# KiCad board nvme Carrier for LattePanda Mu.kicad_pcb (continued)
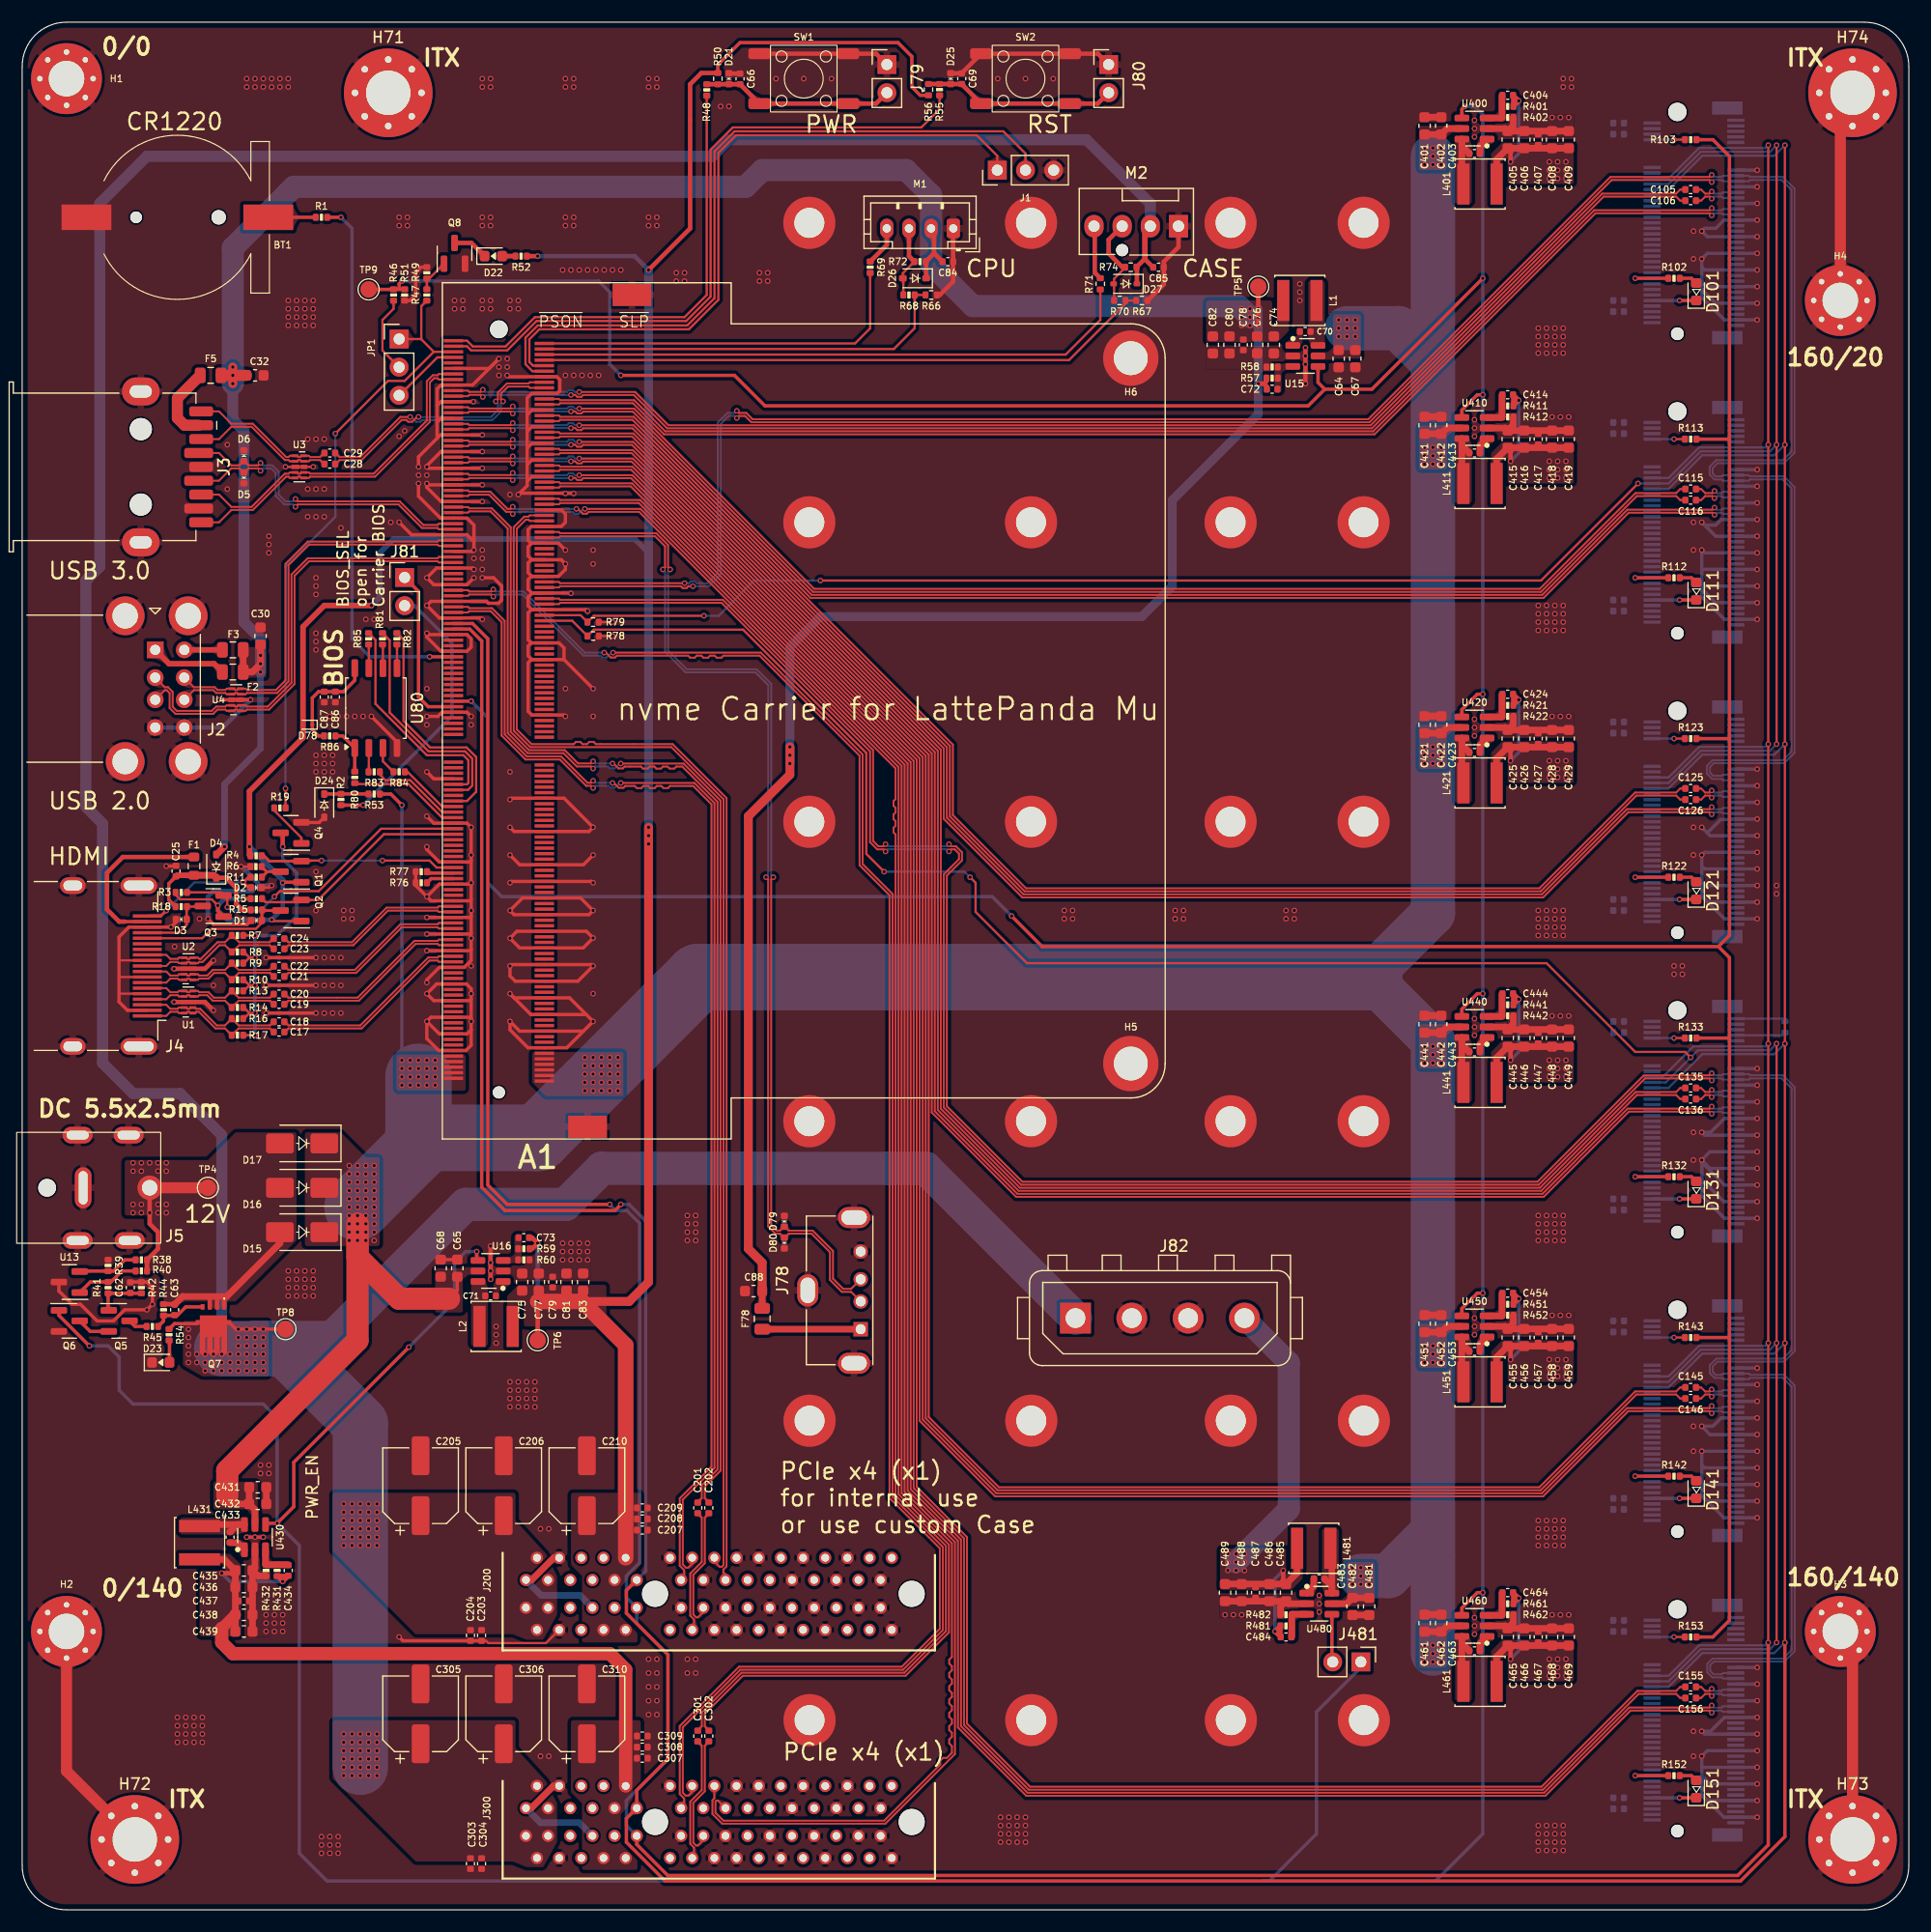
[diagram p0: board, top side]
## Nets (continued)
GND: A1.11 A1.14 A1.17 A1.20 A1.23 A1.26 A1.29 A1.32 A1.35 A1.38 A1.41 A1.44 A1.47 A1.50 A1.53 A1.56 A1.59 A1.62 A1.65 A1.68 A1.71 A1.74 A1.77 A1.80 A1.83 A1.86 A1.89 A1.92 A1.95 A1.98 A1.101 A1.107 A1.110 A1.113 A1.116 A1.135 A1.136 A1.151 A1.158 A1.167 A1.170 A1.181 A1.182 A1.188 A1.189 A1.194 A1.195 A1.200 A1.201 A1.206 A1.207 A1.212 A1.213 A1.218 A1.219 A1.224 A1.225 A1.230 A1.231 A1.236 A1.237 A1.242 A1.243 A1.248 A1.249 A1.MP BT1.2 C25.2 C30.1 C32.1 C62.2 C64.1 C65.1 C66.2 C67.1 C68.1 C69.2 C74.1 C75.1 C76.1 C77.1 C78.2 C79.2 C80.1 C81.1 C82.1 C83.1 C84.2 C85.2 C86.2 C87.2 C88.1 C101.1 C102.1 C103.1 C104.1 C111.1 C112.1 C113.1 C114.1 C121.1 C122.1 C123.1 C124.1 C131.1 C132.1 C133.1 C134.1 C141.1 C142.1 C143.1 C144.1 C151.1 C152.1 C153.1 C154.1 C203.2 C204.2 C205.2 C206.2 C207.1 C208.1 C209.2 C210.2 C303.2 C304.2 C305.2 C306.2 C307.1 C308.1 C309.2 C310.2 C401.1 C402.1 C405.1 C406.1 C407.2 C408.1 C409.1 C411.1 C412.1 C415.1 C416.1 C417.2 C418.1 C419.1 C421.1 C422.1 C425.1 C426.1 C427.2 C428.1 C429.1 C431.1 C432.1 C435.1 C436.1 C437.2 C438.1 C439.1 C441.1 C442.1 C445.1 C446.1 C447.2 C448.1 C449.1 C451.1 C452.1 C455.1 C456.1 C457.2 C458.1 C459.1 C461.1 C462.1 C465.1 C466.1 C467.2 C468.1 C469.1 C481.1 C482.1 C485.1 C486.1 C487.2 C488.1 C489.1 D1.1 D2.1 D3.1 D5.1 D6.1 D21.1 D23.1 D24.2 D25.1 D79.1 D80.1 H1.1 H2.1 H3.1 H4.1 H5.1 H6.1 H71.1 H72.1 H73.1 H74.1 H1032.1 H1042.1 H1060.1 H1080.1 H1130.1 H1142.1 H1160.1 H1180.1 H1230.1 H1242.1 H1260.1 H1280.1 H1330.1 H1342.1 H1360.1 H1380.1 H1430.1 H1442.1 H1460.1 H1480.1 H1530.1 H1542.1 H1560.1 H1580.1 J1.3 J2.4 J2.8 J2.9 J3.4 J3.7 J3.10 J4.2 J4.5 J4.8 J4.11 J4.17 J4.SH J5.2 J5.3 J78.4 J78.5 J79.1 J80.1 J82.2 J82.3 J100.1 J100.3 J100.9 J100.15 J100.21 J100.27 J100.33 J100.39 J100.45 J100.51 J100.57 J100.71 J100.73 J100.75 J100.MP1 J100.MP2 J110.1 J110.3 J110.9 J110.15 J110.21 J110.27 J110.33 J110.39 J110.45 J110.51 J110.57 J110.71 J110.73 J110.75 J110.MP1 J110.MP2 J120.1 J120.3 J120.9 J120.15 J120.21 J120.27 J120.33 J120.39 J120.45 J120.51 J120.57 J120.71 J120.73 J120.75 J120.MP1 J120.MP2 J130.1 J130.3 J130.9 J130.15 J130.21 J130.27 J130.33 J130.39 J130.45 J130.51 J130.57 J130.71 J130.73 J130.75 J130.MP1 J130.MP2 J140.1 J140.3 J140.9 J140.15 J140.21 J140.27 J140.33 J140.39 J140.45 J140.51 J140.57 J140.71 J140.73 J140.75 J140.MP1 J140.MP2 J150.1 J150.3 J150.9 J150.15 J150.21 J150.27 J150.33 J150.39 J150.45 J150.51 J150.57 J150.71 J150.73 J150.75 J150.MP1 J150.MP2 J200.A1 J200.A4 J200.A12 J200.A15 J200.A18 J200.A20 J200.A23 J200.A24 J200.A27 J200.A28 J200.A31 J200.B4 J200.B7 J200.B13 J200.B16 J200.B17 J200.B18 J200.B21 J200.B22 J200.B25 J200.B26 J200.B29 J200.B31 J200.B32 J300.A1 J300.A4 J300.A12 J300.A15 J300.A18 J300.A20 J300.A23 J300.A24 J300.A27 J300.A28 J300.A31 J300.B4 J300.B7 J300.B13 J300.B16 J300.B17 J300.B18 J300.B21 J300.B22 J300.B25 J300.B26 J300.B29 J300.B31 J300.B32 M1.1 M2.1 Q4.2 Q6.2 Q8.2 R6.2 R39.1 R42.1 R49.1 R51.1 R58.1 R60.1 R66.2 R67.2 R76.2 R77.2 R78.2 R79.2 R134.2 R402.1 R412.1 R422.1 R432.1 R442.1 R452.1 R462.1 R482.1 SW1.2 SW2.2 U1.3 U1.8 U2.3 U2.8 U3.3 U3.8 U4.3 U4.8 U13.3 U15.2 U16.2 U80.4 U400.2 U410.2 U420.2 U430.2 U440.2 U450.2 U460.2 U480.2
+BATT: A1.115 R1.1
/CLKREQ3: A1.100 J100.52 J110.52 J120.52 R79.1
/Fan_Temp/FAN_1_PWM: A1.2 R69.1
/Fan_Temp/FAN_1_TAC: A1.4 R66.1 R68.2
/Fan_Temp/FAN_2_PWM: A1.6 R71.1
/Fan_Temp/FAN_2_TAC: A1.8 R67.1 R70.1
/HDMI/DDC_SCL: D1.2 J4.15 Q2.3 R15.2
/HDMI/DDC_SDA: D3.2 J4.16 Q3.3 R18.2
/HDMI/DDI_B_DDC_SCL: A1.171 Q2.2 R5.2
/HDMI/DDI_B_DDC_SDA: A1.169 Q3.2 R3.2
/HDMI/DDI_B_HPD: A1.183 Q1.2 R4.2
/HDMI/DDI_B_TX0+: A1.217 C17.1
/HDMI/DDI_B_TX0-: A1.215 C18.1
/HDMI/DDI_B_TX1+: A1.211 C19.1
/HDMI/DDI_B_TX1-: A1.209 C20.1
/HDMI/DDI_B_TX2+: A1.205 C21.1
/HDMI/DDI_B_TX2-: A1.203 C22.1
/HDMI/DDI_B_TX3+: A1.199 C23.1
/HDMI/DDI_B_TX3-: A1.197 C24.1
/HDMI/HPD: D2.2 J4.19 R11.2
/HDMI/TMDS_CK+: C23.2 J4.10 R8.1 U2.4 U2.7
/HDMI/TMDS_CK-: C24.2 J4.12 R7.1 U2.5 U2.6
/HDMI/TMDS_D0+: C21.2 J4.7 R10.1 U2.1 U2.10
/HDMI/TMDS_D0-: C22.2 J4.9 R9.1 U2.2 U2.9
/HDMI/TMDS_D1+: C19.2 J4.4 R14.1 U1.4 U1.7
/HDMI/TMDS_D1-: C20.2 J4.6 R13.1 U1.5 U1.6
/HDMI/TMDS_D2+: C17.2 J4.1 R17.1 U1.1 U1.10
/HDMI/TMDS_D2-: C18.2 J4.3 R16.1 U1.2 U1.9
/LattePanda Module/CLKREQ4: A1.102 J130.52 J140.52 J150.52 R78.1
/LattePanda Module/HSIO_0_RX+: A1.16 C28.1
/LattePanda Module/HSIO_0_RX-: A1.18 C29.1
/LattePanda Module/HSIO_1_RX+: A1.22 J100.43
/LattePanda Module/HSIO_1_RX-: A1.24 J100.41
/LattePanda Module/HSIO_1_TX+: A1.19 C105.1
/LattePanda Module/HSIO_1_TX-: A1.21 C106.1
/LattePanda Module/HSIO_2_RX+: A1.28 J110.43
/LattePanda Module/HSIO_2_RX-: A1.30 J110.41
/LattePanda Module/HSIO_2_TX+: A1.25 C115.1
/LattePanda Module/HSIO_2_TX-: A1.27 C116.1
/LattePanda Module/HSIO_3_RX+: A1.34 J120.43
/LattePanda Module/HSIO_3_RX-: A1.36 J120.41
/LattePanda Module/HSIO_3_TX+: A1.31 C125.1
/LattePanda Module/HSIO_3_TX-: A1.33 C126.1
/LattePanda Module/HSIO_6_RX+: A1.64 J200.A16
/LattePanda Module/HSIO_6_RX-: A1.66 J200.A17
/LattePanda Module/HSIO_6_TX+: A1.61 C201.1
/LattePanda Module/HSIO_6_TX-: A1.63 C202.1
/LattePanda Module/HSIO_8_RX+: A1.40 J130.43
/LattePanda Module/HSIO_8_RX-: A1.42 J130.41
/LattePanda Module/HSIO_8_TX+: A1.37 C135.1
/LattePanda Module/HSIO_8_TX-: A1.39 C136.1
/LattePanda Module/HSIO_9_RX+: A1.46 J140.43
/LattePanda Module/HSIO_9_RX-: A1.48 J140.41
/LattePanda Module/HSIO_9_TX+: A1.43 C145.1
/LattePanda Module/HSIO_9_TX-: A1.45 C146.1
/LattePanda Module/HSIO_10_RX+: A1.52 J150.43
/LattePanda Module/HSIO_10_RX-: A1.54 J150.41
/LattePanda Module/HSIO_10_TX+: A1.49 C155.1
/LattePanda Module/HSIO_10_TX-: A1.51 C156.1
/LattePanda Module/HSIO_11_RX+: A1.58 J300.A16
/LattePanda Module/HSIO_11_RX-: A1.60 J300.A17
/LattePanda Module/HSIO_11_TX+: A1.55 C301.1
/LattePanda Module/HSIO_11_TX-: A1.57 C302.1
/LattePanda Module/REFCLK0+: A1.85
/LattePanda Module/REFCLK0-: A1.87
/LattePanda Module/REFCLK1+: A1.91 J300.A13
/LattePanda Module/REFCLK1-: A1.93 J300.A14
/LattePanda Module/REFCLK2+: A1.97 J200.A13
/LattePanda Module/REFCLK2-: A1.99 J200.A14
/LattePanda Module/REFCLK4+: A1.94 J130.55 J140.55 J150.55
/LattePanda Module/REFCLK4-: A1.96 J130.53 J140.53 J150.53
/LattePanda Module/SLS_S3: A1.7 JP1.3
/LattePanda Module/SUSCLK_WIFI: A1.131 R103.2 R113.2 R123.2 R133.2 R143.2 R153.2
/LattePanda Module/USB_2_P4+: A1.70 D79.2 J78.3
/LattePanda Module/USB_2_P4-: A1.72 D80.2 J78.2
/LattePanda Module/~{PWR_SW}: A1.1 R48.2
/LattePanda Module/~{RST_SW}: A1.3 R55.2
/M.2 M Key/CON_PCIE_TX_0+: C105.2 J100.49
/M.2 M Key/CON_PCIE_TX_0-: C106.2 J100.47
/M.2 M Key/CON_PCIE_TX_1+: C115.2 J110.49
/M.2 M Key/CON_PCIE_TX_1-: C116.2 J110.47
/M.2 M Key/CON_PCIE_TX_2+: C125.2 J120.49
/M.2 M Key/CON_PCIE_TX_2-: C126.2 J120.47
/M.2 M Key/CON_PCIE_TX_3+: C135.2 J130.49
/M.2 M Key/CON_PCIE_TX_3-: C136.2 J130.47
/M.2 M Key/CON_PCIE_TX_4+: C145.2 J140.49
/M.2 M Key/CON_PCIE_TX_4-: C146.2 J140.47
/M.2 M Key/CON_PCIE_TX_5+: C155.2 J150.49
/M.2 M Key/CON_PCIE_TX_5-: C156.2 J150.47
/PCIe/PCIE30_TX0_N: C202.2 J200.B15
/PCIe/PCIE30_TX0_P: C201.2 J200.B14
/PCIe/PCIE30_TX1_N: C302.2 J300.B15
/PCIe/PCIE30_TX1_P: C301.2 J300.B14
/PSU/PWR_EN: J481.1 Q6.1 R46.2 R51.2 TP9.1 U15.4 U16.4 U400.4 U410.4 U420.4 U430.4 U440.4 U450.4 U460.4
/REFCLK3+: A1.88 J100.55 J110.55 J120.55
/REFCLK3-: A1.90 J100.53 J110.53 J120.53
/USB/CON_USB1_D_N: A1.79 J2.2 U4.2 U4.9
/USB/CON_USB1_D_P: A1.81 J2.3 U4.1 U4.10
/USB/CON_USB2_D_N: A1.73 J2.6 U4.5 U4.6
/USB/CON_USB2_D_P: A1.75 J2.7 U4.4 U4.7
/USB/CON_USB3_D_N: A1.67 D6.2 J3.2
/USB/CON_USB3_D_P: A1.69 D5.2 J3.3
/USB/CON_USB3_SSRX_N: A1.15 J3.5 U3.5 U3.6
/USB/CON_USB3_SSRX_P: A1.13 J3.6 U3.4 U3.7
/USB/CON_USB3_SSTX_N: C28.2 J3.8 U3.2 U3.9
/USB/CON_USB3_SSTX_P: C29.2 J3.9 U3.1 U3.10
/~{PLT_RST}: A1.105 J100.50 J110.50 J120.50 J130.50 J140.50 J150.50 J200.A11 J300.A11
/~{PWR_LED}/~{PSON}: A1.5 JP1.1 R19.1 R47.1
/~{WAKE}: A1.103 J100.54 J110.54 J120.54 J130.54 J140.54 J150.54 J200.B11 J300.B11
VDC: A1.250 A1.251 A1.252 A1.253 A1.254 A1.255 A1.256 A1.257 A1.258 A1.259 A1.260 C64.2 C65.2 C67.2 C68.2 C401.2 C402.2 C411.2 C412.2 C421.2 C422.2 C431.2 C432.2 C441.2 C442.2 C451.2 C452.2 C461.2 C462.2 C481.2 C482.2 D15.1 D16.1 D17.1 R53.1 U15.5 U16.5 U400.5 U410.5 U420.5 U430.5 U440.5 U450.5 U460.5 U480.5
VPullup: D24.1 R2.2 R53.2
Net-(A1-SIO_UART_RX): A1.12 J1.2
Net-(A1-SIO_UART_TX): A1.10 J1.1
Net-(A1-SPI_CLK): A1.155 R81.1
Net-(A1-SPI_IO2): A1.161 R84.1
Net-(A1-SPI_IO3): A1.153 R85.1
Net-(A1-SPI_MISO/SPI_IO1): A1.163 R83.1
Net-(A1-SPI_MOSI/SPI_IO0): A1.159 R82.1
Net-(A1-TCP0_HPD): A1.187 R76.1
Net-(A1-TCP1_HPD): A1.185 R77.1
Net-(A1-~{BIOS_SEL}): A1.133 J81.1
Net-(A1-~{SPI_CS}): A1.165 R80.1
Net-(BT1-+): BT1.1 R1.2
Net-(D21-A2): C66.1 D21.2 J79.2 R48.1 R50.1 SW1.1
Net-(D22-A): D22.2 R52.1
Net-(D22-K): D22.1 Q8.3
Net-(D23-A): D23.2 R54.2
Net-(D25-A2): C69.1 D25.2 J80.2 R55.1 R56.1 SW2.1
Net-(D26-A): D26.2 M1.3 R68.1 R72.2
Net-(D27-A): D27.2 M2.3 R70.2 R74.2
Net-(D78-K): C86.1 C87.1 D78.1 R86.1 U80.8
Net-(D101-A): D101.2 R102.1
Net-(D101-K): D101.1 J100.10
Net-(D111-A): D111.2 R112.1
Net-(D111-K): D111.1 J110.10
Net-(D121-A): D121.2 R122.1
Net-(D121-K): D121.1 J120.10
Net-(D131-A): D131.2 R132.1
Net-(D131-K): D131.1 J130.10
Net-(D141-A): D141.2 R142.1
Net-(D141-K): D141.1 J140.10
Net-(D151-A): D151.2 R152.1
Net-(D151-K): D151.1 J150.10
Net-(J2-VBUS1): F2.2 J2.1
Net-(J2-VBUS2): F3.2 J2.5
Net-(J3-VBUS): F5.2 J3.1
Net-(J4-+5V): F1.2 J4.18
Net-(J78-VBUS): F78.2 J78.1
Net-(J81-Pin_2): J81.2 R2.1
Net-(J100-SUSCLK): J100.68 R103.1
Net-(J110-SUSCLK): J110.68 R113.1
Net-(J120-SUSCLK): J120.68 R123.1
Net-(J130-PEDET): J130.69 R134.1
Net-(J130-SUSCLK): J130.68 R133.1
Net-(J140-SUSCLK): J140.68 R143.1
Net-(J150-SUSCLK): J150.68 R153.1
Net-(J481-Pin_2): J481.2 U480.4
Net-(JP1-C): JP1.2 R46.1
Net-(M1-PWM): M1.4 R69.2
Net-(M2-PWM): M2.4 R71.2
Net-(Q1-D): Q1.3 R6.1 R11.1
Net-(Q4-D): Q4.3 R7.2 R8.2 R9.2 R10.2 R13.2 R14.2 R16.2 R17.2
Net-(Q4-G): Q4.1 R19.2
Net-(Q5-D): Q5.3 R45.1
Net-(Q5-G): C62.1 Q5.1 R41.1 R42.2
Net-(Q5-S): Q5.2 Q6.3
Net-(Q7-G): C63.1 Q7.4 R44.1 R45.2
Net-(Q8-G): Q8.1 R47.2 R49.2
Net-(U13-K): R40.1 R41.2 U13.1
Net-(U13-REF): R38.1 R39.2 U13.2
Net-(U15-BOOST): C70.2 U15.1
Net-(U15-FB): C72.2 R57.1 R58.2 U15.3
Net-(U15-SW): C70.1 L1.1 U15.6
Net-(U16-BOOST): C71.2 U16.1
Net-(U16-FB): C73.2 R59.1 R60.2 U16.3
Net-(U16-SW): C71.1 L2.1 U16.6
Net-(U80-CLK): R81.2 U80.6
Net-(U80-DI(IO0)): R82.2 U80.5
Net-(U80-DO(IO1)): R83.2 U80.2
Net-(U80-IO2): R84.2 U80.3
Net-(U80-IO3): R85.2 U80.7
Net-(U80-~{CS}): R80.2 R86.2 U80.1
Net-(U400-BOOST): C403.2 U400.1
Net-(U400-FB): C404.2 R401.1 R402.2 U400.3
Net-(U400-SW): C403.1 L401.1 U400.6
Net-(U410-BOOST): C413.2 U410.1
Net-(U410-FB): C414.2 R411.1 R412.2 U410.3
Net-(U410-SW): C413.1 L411.1 U410.6
Net-(U420-BOOST): C423.2 U420.1
Net-(U420-FB): C424.2 R421.1 R422.2 U420.3
Net-(U420-SW): C423.1 L421.1 U420.6
Net-(U430-BOOST): C433.2 U430.1
Net-(U430-FB): C434.2 R431.1 R432.2 U430.3
Net-(U430-SW): C433.1 L431.1 U430.6
Net-(U440-BOOST): C443.2 U440.1
Net-(U440-FB): C444.2 R441.1 R442.2 U440.3
Net-(U440-SW): C443.1 L441.1 U440.6
Net-(U450-BOOST): C453.2 U450.1
Net-(U450-FB): C454.2 R451.1 R452.2 U450.3
Net-(U450-SW): C453.1 L451.1 U450.6
Net-(U460-BOOST): C463.2 U460.1
Net-(U460-FB): C464.2 R461.1 R462.2 U460.3
Net-(U460-SW): C463.1 L461.1 U460.6
Net-(U480-BOOST): C483.2 U480.1
Net-(U480-FB): C484.2 R481.1 R482.2 U480.3
Net-(U480-SW): C483.1 L481.1 U480.6

Pads without a net: A1 9 76 78 82 84 104 106 108 109 111 112 114 117 118 119 120 121 122 123 124 125 126 127 128 129 130 132 134 137 138 139 140 141 142 143 144 145 146 147 148 149 150 152 154 156 157 160 162 164 166 168 172 173 174 175 176 177 178 179 180 184 186 190 191 192 193 196 198 202 204 208 210 214 216 220 221 222 223 226 227 228 229 232 233 234 235 238 239 240 241 244 245 246 247; J4 13 14; J100 5 6 7 8 11 13 17 19 20 22 23 24 25 26 28 29 30 31 32 34 35 36 37 38 40 42 44 46 48 56 58 67 69; J110 5 6 7 8 11 13 17 19 20 22 23 24 25 26 28 29 30 31 32 34 35 36 37 38 40 42 44 46 48 56 58 67 69; J120 5 6 7 8 11 13 17 19 20 22 23 24 25 26 28 29 30 31 32 34 35 36 37 38 40 42 44 46 48 56 58 67 69; J130 5 6 7 8 11 13 17 19 20 22 23 24 25 26 28 29 30 31 32 34 35 36 37 38 40 42 44 46 48 56 58 67; J140 5 6 7 8 11 13 17 19 20 22 23 24 25 26 28 29 30 31 32 34 35 36 37 38 40 42 44 46 48 56 58 67 69; J150 5 6 7 8 11 13 17 19 20 22 23 24 25 26 28 29 30 31 32 34 35 36 37 38 40 42 44 46 48 56 58 67 69; J200 A5 A6 A7 A8 A19 A21 A22 A25 A26 A29 A30 A32 B5 B6 B9 B12 B19 B20 B23 B24 B27 B28 B30; J300 A5 A6 A7 A8 A19 A21 A22 A25 A26 A29 A30 A32 B5 B6 B9 B12 B19 B20 B23 B24 B27 B28 B30

## Via types
v1: diameter 0.5, hole 0.3, Top to Bottom, 1206 vias

## Routing (per net, layer and track width the routed paths; a pad name or vN(x,y) marks a point on that pad's centre or on a via; arc(x,y) is an arc through that point)
5V_HDMI_VCC: length 12.2
  Top w0.3: C25.1 13.22,92.52 13.22,91.07 R18.1
  Top w0.4: R15.1 19.84,90.16 19.31,90.69 19.31,92.13 18.39,93.05 D4.1
  Top w0.508: R18.1 13.85,90.46 ; C25.1 13.98,93.28 F1.1
  Top w0.6: D4.1 17.27,93.28 F1.1
+3V3: length 287
  Top w0.2: v1(17.65,90.55) 17.09,91.11 14.24,91.11 13.84,91.51 R3.1 ; Q2.1 22.62,89.15 v1(22.5,89.27) ; v1(20.03,91.17) R5.1 ; 25.15,92.69 Q1.1
  Top w0.3: Q3.1 17.65,90.07 v1(17.65,90.55) ; v1(23.5,92.6) 23.55,92.65 Q1.1 ; R56.2 81,163.6 80.25,164.35 80.25,167.1 79,168.35 64.75,168.35 62.75,166.35 R50.2
  Top w0.4: R59.2 46,59.6 v1(46.5,60.1) 46,60.6 C73.1 ; v1(46.5,149.1) R52.2 ; v1(46.5,54.85) TP6.1 ; v1(56.5,147.85) 60.25,151.6 60.25,164.6 61.26,165.61 R50.2
  Top w0.5: R4.1 20.5,95.12 v1(20.5,95.85) 20.5,100.85 25.33,105.68 25.33,115.68 27.25,117.6 v1(31.5,117.6)
  Top w0.8: v1(56.5,97.6) 56.5,56.6 54.75,54.85 v1(46.5,54.85)
  Top w1.4: J200.A10 54.44,50.91 50.5,54.85 v1(46.5,54.85)
  Bottom w0.4: v1(46.5,149.1) 55.25,149.1 v1(56.5,147.85) ; v1(46.5,54.85) v1(46.5,60.1) ; v1(23.5,92.6) 23.5,90.27 v1(22.5,89.27) 18.51,89.27 17.65,90.13 v1(17.65,90.55) 18.27,91.17 v1(20.03,91.17) 20.05,91.17
  Bottom w0.5: v1(23.5,92.6) 23.5,92.85 v1(20.5,95.85) ; 56.5,122.35 55.25,123.6 33.5,123.6 32.25,122.35 32.25,118.35 v1(31.5,117.6)
  Bottom w0.8: v1(56.5,147.85) v1(56.5,96.1)
  vias: v1(56.5,96.85)
+3V3a: length 21.7
  Top w0.3: R102.2 v1(145.5,147.1)
  Top w0.4: 134.25,158.58 v1(134.25,157.6) ; 134.5,163.6 134.5,162.6 v1(135,163.1) 134.5,163.6
  Top w0.6: C405.2 134.25,158.58 ; C405.2 C409.2 ; C405.2 133,157.83 L401.2
  Bottom w0.3: v1(134.25,157.6) 135,158.35 v1(135,163.1)
  vias: v1(137.75,157.6) v1(137.75,156.85) v1(137.75,156.1) v1(138.5,157.6) v1(138.5,156.85) v1(138.5,156.1) v1(139.25,157.6) v1(139.25,156.85) v1(139.25,156.1)
+3V3aa: length 21.7
  Top w0.3: R132.2 v1(145.5,66.1)
  Top w0.4: 134.25,77.58 v1(134.25,76.6) ; 134.5,82.6 v1(135,82.1) 134.5,81.6 134.5,82.6
  Top w0.6: C449.2 C445.2 ; C445.2 133,76.83 L441.2 ; C445.2 134.25,77.58
  Bottom w0.3: v1(135,82.1) 135,77.35 v1(134.25,76.6)
  vias: v1(137.75,76.6) v1(137.75,75.85) v1(137.75,75.1) v1(138.5,76.6) v1(138.5,75.85) v1(138.5,75.1) v1(139.25,76.6) v1(139.25,75.85) v1(139.25,75.1)
+3V3b: length 21.7
  Top w0.3: R112.2 v1(145.5,120.1)
  Top w0.4: 134.25,131.57 v1(134.25,130.6) ; 134.5,136.6 134.5,135.6 v1(135,136.1) 134.5,136.6
  Top w0.6: C419.2 C415.2 ; C415.2 134.25,131.57 ; C415.2 133,130.82 L411.2
  Bottom w0.3: v1(135,136.1) 135,131.35 v1(134.25,130.6)
  vias: v1(137.75,130.6) v1(137.75,129.85) v1(137.75,129.1) v1(138.5,130.6) v1(138.5,129.85) v1(138.5,129.1) v1(139.25,130.6) v1(139.25,129.85) v1(139.25,129.1)
+3V3bb: length 21.7
  Top w0.3: R142.2 v1(145.5,39.1)
  Top w0.4: 134.25,50.58 v1(134.25,49.6) ; 134.5,55.6 v1(135,55.1) 134.5,54.6 134.5,55.6
  Top w0.6: C459.2 C455.2 ; C455.2 134.25,50.58 ; C455.2 133,49.83 L451.2
  Bottom w0.3: v1(135,55.1) 135,50.35 v1(134.25,49.6)
  vias: v1(137.75,49.62) v1(137.75,48.85) v1(137.75,48.1) v1(138.5,49.6) v1(138.5,48.85) v1(138.5,48.1) v1(139.25,49.6) v1(139.25,48.85) v1(139.25,48.1)
+3V3c: length 21.7
  Top w0.3: R122.2 v1(145.5,93.1)
  Top w0.4: 134.25,104.58 v1(134.25,103.6) ; 134.5,109.6 v1(135,109.1) 134.5,108.6 134.5,109.6
  Top w0.6: C429.2 C425.2 ; C425.2 134.25,104.58 ; C425.2 133,103.83 L421.2
  Bottom w0.3: v1(134.25,103.6) 135,104.35 v1(135,109.1)
  vias: v1(137.75,103.6) v1(137.75,102.85) v1(137.75,102.1) v1(138.5,103.6) v1(138.5,102.85) v1(138.5,102.1) v1(139.25,103.6) v1(139.25,102.85) v1(139.25,102.1)
+3V3cc: length 21.7
  Top w0.3: R152.2 v1(145.5,12.1)
  Top w0.4: 134.25,23.58 v1(134.25,22.6) ; v1(135,28.1) 134.5,27.6 134.5,28.6 v1(135,28.1)
  Top w0.6: L461.2 133,22.83 C465.2 ; C465.2 134.25,23.58 ; C465.2 C469.2
  Bottom w0.3: v1(134.25,22.6) 135,23.35 v1(135,28.1)
  vias: v1(137.75,22.6) v1(137.75,21.85) v1(137.75,21.1) v1(138.5,22.6) v1(138.5,21.85) v1(138.5,21.1) v1(139.25,22.6) v1(139.25,21.85) v1(139.25,21.1)
+3V3d: length 69.6
  Top w0.4: 18.98,30.35 v1(18,30.35) ; 24,30.1 23,30.1 v1(23.5,29.6) 24,30.1
  Top w0.6: 19.23,30.6 18.98,30.35 ; 19.23,30.6 18.23,31.6 L431.2 ; 19.23,30.6 19.23,25.1
  Top w1: 18,25.38 19.23,26.6
  Top w1.2: J300.A10 54.44,21.66 53,23.1 19,23.1 18,24.1 18,25.38
  Bottom w0.3: v1(18,30.35) 18.75,29.6 v1(23.5,29.6)
+5V: length 314.4
  Top w0.4: v1(111.5,137.6) 112,137.6 ; 112,137.6 112.24,137.84 R57.2 ; 112,137.6 112.28,137.32 112.28,137.1 ; 82.26,149.36 82.25,149.37 82.25,151.34 M1.2 ; 82.26,149.36 C84.1 ; 82.26,149.36 R72.1 81.54,148.56 D26.1 ; TP5.1 v1(111.5,142.85)
  Top w0.6: C30.2 v1(21.5,112.35) 20.75,111.6 F2.1 F3.1 ; C88.2 F78.1 ; 17.55,95.15 v1(18.25,95.85)
  Top w0.8: v1(19,139.1) v1(19,137.6) ; 66.75,56.04 C88.2 66.75,58.35 65.5,59.6 65.5,98.6 69.25,102.35 v1(69.25,104.85)
  Top w1: F5.1 20.23,138.35
  Bottom w0.6: 21.5,112.6 21.5,104.73 18.25,101.48 v1(18.25,95.85)
  Bottom w0.8: v1(69.25,104.85) v1(69.25,104.1) v1(69.25,103.35) 69.25,113.85 72,116.6 101,116.6 103.75,119.35 103.75,127.1 111.5,134.85 v1(111.5,137.6) v1(111.5,144.35) ; M1.2 81.99,151.42
  Bottom w1: v1(19,139.1) 19,134.35 20,133.35 20,116.1 21.5,114.6 v1(21.5,113.1) v1(21.5,111.6)
  Bottom w2: v1(19,137.6) 19,149.85 24.5,155.35 65.25,155.35 66.75,156.85 79.75,156.85 81.99,154.61 M1.2 ; 81.99,151.6 81.99,148.36 85.75,144.6 109.75,144.6 v1(110.75,143.6)
  vias: v1(19,138.35) v1(110,144.35) v1(110,143.6) v1(110,142.85) v1(110.75,144.35) v1(110.75,142.85) v1(111.5,143.6)
+5Va: length 44.3
  Top w0.4: 113.75,29.62 v1(113.75,30.6) ; 113.5,24.6 113.5,25.6 v1(113,25.1) 113.5,24.6
  Top w0.6: C485.2 113.75,29.62 ; C485.2 115,30.38 L481.2 ; C485.2 C489.2
  Bottom w0.3: v1(113.75,30.6) 113,29.85 v1(113,25.1)
  Bottom w2: J82.4 114.25,49.35 114.25,36.1 v1(109.5,31.35)
  vias: v1(108.75,32.1) v1(108.75,31.35) v1(108.75,30.6) v1(109.5,32.1) v1(109.5,30.6) v1(110.25,32.1) v1(110.25,31.35) v1(110.25,30.58)
+12V: length 30.2
  Top w0.4: 11.26,57.6 11.26,58.6 12.25,59.59 12.25,61.1 11.5,61.85 v1(11.5,62.85) J5.1 ; 18.3,55.3 18.23,55.22 Q7.1 ; C63.2 13.72,54.61 12.75,54.61 ; 17.55,55.3 17.57,55.28 17.57,54.36 ; 16.85,55.3 16.93,55.22 Q7.3
  Top w0.6: C63.2 14.47,55.3 18.45,55.3 23.25,60.1 D15.2
  Top w1: J5.1 TP4.1
  vias: v1(10,67.35) v1(10,66.6) v1(10,63.6) v1(10,62.85) v1(10.75,67.35) v1(10.75,66.6) v1(10.75,63.6) v1(10.75,62.85) v1(11.5,67.35) v1(12.25,67.35) v1(12.25,66.6) v1(12.25,63.6) v1(12.25,62.85) v1(13,67.35) v1(13,66.6) v1(13,63.6) v1(13,62.85)
+12VA: length 367.3
  Top w0.3: Q7.10 15.73,52.85 13.74,52.85 R54.1 ; TP8.1 19.28,52.35 Q7.11
  Top w0.4: 101.27,148.87 100.51,148.11 R74.1 100.55,148.06 D27.1 ; C85.1 102,148.1 101.27,148.83 101.27,149.35
  Top w0.5: 101.27,148.83 101.27,151.31 M2.2 ; Q7.8 18.23,50.33 v1(18,50.1) ; v1(16.51,50.1) 16.27,50.33 16.27,51.46 ; Q7.6 16.93,50.43 v1(17.25,50.1) 17.57,50.43 17.57,51.46
  Bottom w1: M2.2 101.76,153.84 96,159.6 63.75,159.6 62.25,158.1 11.25,158.1 7,153.85 7,121.1 5.75,119.85 5.75,99.44 7.25,97.94 7.25,76.35 10,73.6 14.25,73.6 18,69.85 18,49.85
  Bottom w3: J82.1 81.51,66.85 52.25,66.85 49,63.6 40,63.6 28,51.6 v1(21,51.6)
  Bottom w5: 18,50.6 23.75,50.6 30.5,43.85 v1(30.5,12.85)
  vias: v1(15,52.35) v1(15,51.6) v1(15,50.85) v1(15,50.1) v1(15,49.35) v1(15.75,50.1) v1(15.75,49.35) v1(16.5,49.35) v1(16.5,48.6) v1(17.25,49.35) v1(17.25,48.6) v1(18,49.35) v1(18,48.6) v1(18.75,50.1) v1(18.75,49.35) v1(18.75,48.6) v1(19.5,52.35) v1(19.5,51.6) v1(19.5,50.85) v1(19.5,50.1) v1(19.5,49.35) v1(19.5,48.6) v1(20.25,52.35) v1(20.25,51.6) v1(20.25,50.85) v1(20.25,50.1) v1(20.25,49.35) v1(20.25,48.6) v1(21,52.35) v1(21,50.85) v1(21,50.1) v1(21,49.35) v1(21,48.6) v1(21.75,52.35) v1(21.75,51.6) v1(21.75,50.85) v1(21.75,50.1) v1(21.75,49.35) v1(21.75,48.6) v1(29,36.6) v1(29,35.85) v1(29,35.1) v1(29,34.35) v1(29,33.6) v1(29,32.85) v1(29,15.85) v1(29,15.1) v1(29,14.35) v1(29,13.6) v1(29,12.85) v1(29,12.1) v1(29.76,36.6) v1(29.75,35.85) v1(29.75,35.1) v1(29.76,34.35) v1(29.75,33.6) v1(29.75,32.85) v1(29.76,15.85) v1(29.75,15.1) v1(29.75,14.35) v1(29.76,13.6) v1(29.75,12.85) v1(29.75,12.1) v1(30.5,36.6) v1(30.5,35.85) v1(30.5,35.1) v1(30.5,34.35) v1(30.5,33.6) v1(30.5,32.85) v1(30.5,15.85) v1(30.5,15.1) v1(30.5,14.35) v1(30.5,13.6) v1(30.5,12.1) v1(31.25,36.6) v1(31.25,35.85) v1(31.25,35.1) v1(31.25,34.35) v1(31.25,33.6) v1(31.25,32.85) v1(31.25,15.85) v1(31.25,15.1) v1(31.25,14.35) v1(31.25,13.6) v1(31.25,12.85) v1(31.25,12.1) v1(32,36.6) v1(32,35.85) v1(32,35.1) v1(32,34.35) v1(32,33.6) v1(32,32.85) v1(32,15.85) v1(32,15.1) v1(32,14.35) v1(32,13.6) v1(32,12.85) v1(32,12.1)
GND: length 1029
  Top w0.2: v1(22.5,92.35) 22.31,92.16 D2.1 ; v1(13.42,88.6) 13.42,88.6 ; J200.B4 47.25,24.05 42.05,24.05 41.84,24.26 C203.2 ; 8.73,84.1 J4.8 ; v1(26.25,130.1) U3.8 U3.3 v1(23.75,130.1) ; v1(53.25,116.1) R79.2 ; v1(53.25,114.85) R78.2 ; v1(19.75,94.06) R6.2 ; J4.5 8.73,82.6 ; 8.73,85.6 J4.11
  Top w0.3: v1(51,117.1) 50.87,117.23 A1.98 ; 40.5,82.1 40.37,81.97 A1.231 37.12,81.97 v1(36.5,82.6) 37.37,83.47 A1.225 40.07,83.47 40.5,83.05 40.5,82.1 ; 40.5,82.1 40.5,80.35 ; v1(51.5,92.6) 51.37,92.73 A1.188 44.12,92.73 v1(44,92.6) ; 40.5,86.6 40.5,88.1 ; 40.5,86.6 40.37,86.48 A1.213 v1(36.5,86.48) ; 40.5,86.6 40.5,85.6 39.87,84.98 A1.219 37.62,84.98 36.5,83.85 v1(36.5,83.6) ; 40.5,88.1 40.37,87.98 A1.207 v1(36.5,87.98) ; 40.5,88.1 40.5,89.6 ; v1(36.5,80.1) 37.62,78.97 A1.243 40.12,78.97 40.5,79.35 ; v1(36.5,80.1) 36.87,80.47 A1.237 40.37,80.47 40.5,80.35 ; v1(36.5,80.1) 36.5,78.55 37.57,77.47 A1.249 40.02,77.47 40.5,77.95 40.5,79.35 ; 150.75,70.2 v1(150.75,70.1) ; v1(22,80.85) v1(26.5,80.85) 26.5,80.95 ; 150.75,43.7 v1(150.75,43.6) ; A1.92 49.48,118.73 v1(49.5,118.7) ; A1.92 45.98,118.73 45.64,119.06 45.64,119.94 45.93,120.23 A1.86 ; A1.92 46.01,118.73 45.64,118.35 45.64,117.56 45.98,117.23 A1.98 ; v1(51.5,110.1) 48.87,112.73 ; 48.87,112.73 48.87,113.78 48.43,114.23 A1.110 45.93,114.23 ; 48.87,112.73 A1.116 ; A1.74 45.98,123.23 45.64,122.89 45.64,122.06 45.98,121.73 A1.80 ; A1.74 45.87,123.23 45.64,123.46 45.64,124.44 45.93,124.73 A1.68 48.62,124.73 49,125.1 49,125.85 48.62,126.23 A1.62 ; A1.74 48.37,123.23 v1(49,122.6) ; 150.75,148.95 v1(150.75,148.85) ; 28,83.45 v1(28,83.35) ; 114,89.45 v1(114,89.35) ; A1.38 45.98,132.23 45.55,131.8 ; v1(51.5,97.6) 51.12,97.23 A1.170 44.37,97.23 v1(44,97.6) ; v1(51.5,97.6) 48.87,100.23 A1.158 44.12,100.23 v1(44,100.1) ; v1(51.5,97.6) 51.5,97.7 ; 50.87,80.72 49.37,82.22 A1.230 44.37,82.22 v1(44,82.6) 45.87,80.72 A1.236 50.87,80.72 ; 50.87,80.72 v1(51.5,80.1) 50.62,79.22 ; 37.43,135.62 37.43,134.12 ; 37.43,135.62 37.43,137.12 37.77,137.48 A1.17 40.62,137.48 v1(43,139.85) 42.12,138.98 A1.11 ; 37.43,135.62 37.77,135.98 A1.23 v1(40.7,135.98) ; 37.43,134.12 37.43,132.68 ; 37.43,134.12 37.77,134.48 A1.29 ; 40.5,79.35 40.5,80.35 ; v1(22,85.85) v1(26.5,85.85) 26.5,85.95 ; A1.98 45.93,117.23 45.64,116.94 45.64,114.51 45.93,114.23 ; 139,164.45 v1(139,164.35) ; A1.80 45.93,121.73 45.64,121.44 45.64,120.56 45.98,120.23 A1.86 ; A1.80 48.62,121.73 v1(49,121.35) 49,120.85 48.37,120.23 A1.86 ; A1.77 40.62,122.48 v1(40.75,122.6) 40.75,124.85 40.12,125.48 A1.65 37.73,125.48 35.75,127.45 v1(35.75,128.6) ; 150.75,151.45 v1(150.75,151.35) ; A1.50 45.98,129.23 45.55,128.8 ; 46.75,13.95 v1(46.75,13.85) ; 45.55,133.3 45.55,131.8 ; 45.55,133.3 45.55,134.8 ; 45.55,133.3 45.98,133.73 A1.32 ; 45.55,131.8 45.55,130.3 ; 25.19,98.04 26.79,98.04 D24.2 ; v1(35.75,130.1) 35.75,131 37.43,132.68 ; 37.43,132.68 37.73,132.98 A1.35 v1(41.5,132.98) ; v1(17.75,109.1) v1(20.6,109.1) U4.3 U4.8 ; C62.2 9.78,56.61 11.24,56.61 11.75,56.1 v1(11.75,54.6) v1(11.25,54.1) 9.24,54.1 8.25,53.11 8.25,53.1 6.75,53.1 5.25,54.6 4.5,54.6 3.31,55.79 3.31,56.6 ; v1(13,94.1) 13.84,94.1 C25.2 ; v1(20.25,33.6) v1(21.75,33.6) ; 150.75,16.2 v1(150.75,16.1) ; 40.5,89.6 40.5,91.1 ; 40.5,89.6 40.37,89.48 A1.201 v1(36.5,89.48) ; 40.5,91.1 v1(40.5,92.6) ; 40.5,91.1 40.37,90.98 A1.195 36.87,90.98 v1(36.5,91.35) ; 28,80.95 v1(28,80.85) ; 139,165.2 v1(139,165.1) ; A1.26 45.98,135.23 45.55,134.8 ; 45.55,130.3 45.98,130.73 A1.44 ; 45.55,130.3 45.55,128.8 ; D3.1 13.87,89.04 v1(13.42,88.6) ; 45.93,114.23 45.64,113.94 45.64,113.06 45.98,112.73 A1.116 ; v1(43.75,138.35) 43.87,138.23 A1.14 48.23,138.23 48.5,137.95 48.5,136.95 48.27,136.73 A1.20 45.98,136.73 45.55,136.3 45.55,134.8 ; v1(36.5,95.85) 36.5,95.6 37.62,94.48 A1.181 40.37,94.48 40.5,94.6 ; 150.75,125.2 v1(150.75,125.1) ; v1(36.5,91.35) 35.49,92.36 R76.2 R77.2 ; v1(36.5,91.35) 37.62,92.48 A1.189 40.37,92.48 v1(40.5,92.6) ; v1(22,83.35) v1(26.5,83.35) 26.5,83.45 ; 70.5,165.2 v1(70.5,165.1) ; 28,85.95 v1(28,85.85) ; 94,90.2 v1(94,90.1) ; C203.2 C204.2 34.34,24.26 v1(34,24.6) ; v1(41.5,128.48) A1.53 36.62,128.48 v1(36.5,128.6) 36.5,128.25 37.77,126.98 A1.59 v1(41.5,126.98) ; v1(49.75,127.7) 49.73,127.73 A1.56 44.87,127.73 v1(44.75,127.6) 45.55,128.4 45.55,128.8 ; 50.62,79.22 A1.242 44.87,79.22 v1(44,80.1) 44,79.35 45.62,77.72 A1.248 49.12,77.72 50.62,79.22 ; v1(16.75,89.35) 17.25,88.85 20.29,88.85 D1.1 ; 149,84.45 v1(149,84.35) ; v1(31.5,107.6) 33.81,105.29 U80.4 ; 40.5,94.6 v1(40.5,97.6) 40.12,97.98 A1.167 37.12,97.98 v1(36.5,98.6) ; 40.5,94.6 v1(40.5,92.6) ; 150.75,41.45 v1(150.75,41.35) ; v1(34,125.1) 35.12,123.98 A1.71 40.12,123.98 40.75,123.35 ; v1(40.5,107.6) 40.12,107.98 A1.135 37.87,107.98 37.5,107.6 v1(36.5,107.6) ; v1(40.75,120.85) 40.62,120.98 A1.83 37.37,120.98 v1(36.5,120.1) 37.12,119.48 A1.89 40.12,119.48 v1(40.75,120.1) ; 104,89.45 v1(104,89.35) ; A1.116 45.93,112.73 45.64,112.44 45.64,108.06 45.98,107.73 A1.136 48.87,107.73 v1(49,107.6) ; v1(41.5,129.98) A1.47 36.62,129.98 v1(36.5,130.1) 36.5,130.2 37.77,131.48 A1.41 v1(41.5,131.48) ; 21,33.7 v1(21,33.6) ; 13.42,88.6 J4.17 9.62,88.6 8.73,87.72 8.73,81.87 9.5,81.1 J4.2 ; 149,85.2 v1(149,85.1) ; v1(41.5,120.1) 42.51,120.1 43.25,119.36 43.25,118.09 42.96,117.8 42.05,117.8 41.87,117.98 A1.95 36.87,117.98 v1(36.5,117.6) 37.62,116.48 A1.101 41.37,116.48 v1(41.5,116.35) ; A1.151 37.12,101.98 v1(36.5,102.6) ; v1(44,95.1) 44.87,94.23 A1.182 50.62,94.23 v1(51.5,95.1) ; 150.75,95.2 v1(150.75,95.1) ; R51.1 34.99,145.09 35.5,145.6 35.5,147.6 36.01,148.11 R49.1 ; C68.1 C65.1 ; 150.75,67.7 v1(150.75,67.6) ; 29,90.2 v1(29,90.1) ; 46.75,34.45 v1(46.75,34.35) ; 150.75,122.7 v1(150.75,122.6) ; 94,89.45 v1(94,89.35) ; 150.75,13.95 v1(150.75,13.85) ; 150.75,97.7 v1(150.75,97.6) ; 51.37,85.23 v1(51.5,85.1) 50.12,83.72 A1.224 44.48,83.72 44,84.2 v1(44,85.1) 44.12,85.23 A1.218 51.37,85.23 ; v1(44,87.6) 44.87,86.73 A1.212 50.61,86.73 v1(51.5,87.62) 50.9,88.23 A1.206 44.62,88.23 v1(44,87.6) ; A1.200 44.37,89.73 v1(44,90.1) 45.12,91.23 A1.194 50.37,91.23 v1(51.5,90.1) 51.12,89.73 A1.200 ; A1.107 36.62,114.98 v1(36.5,115.1) 36.5,114.75 37.77,113.48 A1.113 40.12,113.48 40.5,113.85 40.5,114.6 40.12,114.98 A1.107